# Allegro board 8880F5-0823_RXTX.brd (continued)
## Routing (per net, layer and track width the routed paths; a pad name or vN(x,y) marks a point on that pad's centre or on a via; arc(x,y) is an arc through that point) (continued)
; 322.58,77.93 D102.B7 ; D102.B7 321.77,78.74 ; D102.B7 322.58,79.55 ; D102.B7 323.39,78.74 ; D119.A4 167.64,56.69 ; D119.A4 167.64,55.07 ; D119.A4 166.83,55.88 ; D119.A4 168.45,55.88 ; 182.88,75.39 D118.A10 ; D118.A10 183.69,76.2 ; D118.A10 182.07,76.2 ; D118.A10 182.88,77.01 ; 391.16,375.11 D111.A13 ; D111.A13 390.35,375.92 ; D111.A13 391.97,375.92 ; D111.A13 391.16,376.73 ; 237.95,38.1 D124.B3 ; D124.B3 238.76,37.29 ; D124.B3 239.57,38.1 ; D124.B3 238.76,38.91 ; D113.B5 338.63,330.2 ; D113.B5 337.82,329.39 ; D113.B5 337.82,331.01 ; D113.B5 337.01,330.2 ; 321.77,53.34 D103.A7 ; D103.A7 322.58,54.15 ; D103.A7 322.58,52.53 ; D103.A7 323.39,53.34 ; D128.B3 17.78,38.91 ; D128.B3 16.97,38.1 ; D128.B3 18.59,38.1 ; D128.B3 17.78,37.29 ; 413.31,86.36 D305.A14 ; D305.A14 414.73,86.36 ; D305.A14 414.02,87.07 ; D305.A14 414.02,85.65 ; 319.23,55.88 D103.A6 ; D103.A6 320.04,55.07 ; D103.A6 320.04,56.69 ; D103.A6 320.85,55.88 ; D113.B4 341.17,327.66 ; D113.B4 340.36,326.85 ; D113.B4 340.36,328.47 ; D113.B4 339.55,327.66 ; 190.5,329.39 CSDPS229.C5 ; CSDPS229.C5 191.31,330.2 ; CSDPS229.C5 189.69,330.2 ; CSDPS229.C5 190.5,331.01 ; D116.B2 346.25,388.62 ; D116.B2 344.63,388.62 ; D116.B2 345.44,389.43 ; D116.B2 345.44,387.81 ; 106.68,72.85 D130.A9 106.68,74.47 ; D118.A11 185.42,74.47 ; D118.A11 185.42,72.85 ; D118.A11 186.23,73.66 ; D118.A11 184.61,73.66 ; D112.B12 394.51,388.62 ; D112.B12 393.7,389.43 ; D112.B12 392.89,388.62 ; D112.B12 393.7,387.81 ; 98.25,101.6 D129.B6 ; D129.B6 99.06,102.41 ; D129.B6 99.87,101.6 ; D129.B6 99.06,100.79 ; D322.A1 233.68,64.21 ; D322.A1 232.97,63.5 ; D322.A1 234.39,63.5 ; D131.B11 112.57,58.42 ; D131.B11 111.76,57.61 ; D131.B11 110.95,58.42 ; D131.B11 111.76,59.23 ; D116.B12 320.85,388.62 ; D116.B12 320.04,387.81 ; D116.B12 319.23,388.62 ; D116.B12 320.04,389.43 ; D301.B3 312.42,89.61 ; D301.B3 313.13,88.9 ; D301.B3 311.71,88.9 ; D301.B3 312.42,88.19 ; CSDPS225.C15 238.76,331.01 ; CSDPS225.C15 238.76,329.39 ; CSDPS225.C15 237.95,330.2 ; CSDPS225.C15 239.57,330.2 ; 306.63,83.82 D301.A1 ; D301.A1 307.34,84.53 ; D301.A1 308.05,83.82 ; 419.1,70.41 D306.B16 ; D306.B16 419.1,71.83 ; D306.B16 418.39,71.12 ; D306.B16 419.81,71.12 ; 419.1,80.47 D106.B16 ; D106.B16 419.91,81.28 ; D106.B16 418.29,81.28 ; 45.72,95.71 D125.A14 ; D125.A14 44.91,96.52 ; D125.A14 45.72,97.33 ; D125.A14 46.53,96.52 ; 322.58,72.85 D102.A7 ; D102.A7 323.39,73.66 ; D102.A7 322.58,74.47 ; D102.A7 321.77,73.66 ; 309.07,40.64 D104.B2 ; D104.B2 310.69,40.64 ; D104.B2 309.88,39.83 ; D104.B2 309.88,41.45 ; DPS1.A05 391.97,13.97 ; DPS1.A05 391.16,14.78 ; DPS1.A05 391.16,13.16 ; DPS1.A05 390.35,13.97 ; DPS3.A01 234.49,13.97 ; DPS3.A01 232.87,13.97 ; DPS3.A01 233.68,14.78 ; DPS3.A01 233.68,13.16 ; 388.62,367.49 D111.B14 ; D111.B14 387.81,368.3 ; D111.B14 388.62,369.11 ; D111.B14 389.43,368.3 ; D110.B12 394.51,347.98 ; D110.B12 393.7,347.17 ; D110.B12 392.89,347.98 ; D110.B12 393.7,348.79 ; 309.88,331.93 D113.A16 ; D113.A16 309.88,333.55 ; D113.A16 310.69,332.74 ; D113.A16 309.07,332.74 ; D122.A14 266.7,77.01 ; D122.A14 266.7,75.39 ; D122.A14 265.89,76.2 ; D122.A14 267.51,76.2 ; 88.9,34.75 D132.A2 ; D132.A2 88.9,36.37 ; D132.A2 88.09,35.56 ; D132.A2 89.71,35.56 ; 22.86,93.17 D125.A5 ; D125.A5 23.67,93.98 ; D125.A5 22.05,93.98 ; D125.A5 22.86,94.79 ; D322.B7 249.63,68.58 ; D322.B7 248.92,67.87 ; D322.B7 248.92,69.29 ; D322.B7 248.21,68.58 ; D127.A10 36.37,55.88 ; D127.A10 34.75,55.88 ; D127.A10 35.56,55.07 ; D127.A10 35.56,56.69 ; 27.94,32.21 D128.A7 ; D128.A7 27.94,33.83 ; D128.A7 27.13,33.02 ; D128.A7 28.75,33.02 ; 415.85,83.82 D305.A15 ; D305.A15 417.27,83.82 ; D305.A15 416.56,84.53 ; CSDPS429.B6 188.77,342.9 ; CSDPS429.B6 187.96,342.09 ; CSDPS429.B6 187.15,342.9 ; CSDPS429.B6 187.96,343.71 ; D104.B6 320.85,40.64 ; D104.B6 320.04,39.83 ; D104.B6 320.04,41.45 ; D104.B6 319.23,40.64 ; D120.B5 170.18,38.91 ; D120.B5 170.99,38.1 ; D120.B5 169.37,38.1 ; D120.B5 170.18,37.29 ; 25.4,100.79 D125.B6 ; D125.B6 24.59,101.6 ; D125.B6 25.4,102.41 ; D125.B6 26.21,101.6 ; D126.B1 13.51,78.74 ; D126.B1 12.7,77.93 ; D126.B1 12.7,79.55 ; D124.B10 256.54,41.45 ; D124.B10 257.35,40.64 ; D124.B10 256.54,39.83 ; D124.B10 255.73,40.64 ; D231.A11 176.07,375.92 ; D231.A11 175.26,375.11 ; D231.A11 174.45,375.92 ; D231.A11 175.26,376.73 ; D130.B6 99.87,81.28 ; D130.B6 99.06,80.47 ; D130.B6 98.25,81.28 ; D130.B6 99.06,82.09 ; CSDPS225.B14 242.11,332.74 ; CSDPS225.B14 241.3,333.55 ; CSDPS225.B14 240.49,332.74 ; CSDPS225.B14 241.3,331.93 ; 385.27,355.6 D110.A15 ; D110.A15 386.89,355.6 ; D110.A15 386.08,354.79 ; D110.A15 386.08,356.41 ; 397.97,353.06 D110.A10 ; D110.A10 398.78,353.87 ; D110.A10 398.78,352.25 ; D110.A10 399.59,353.06 ; SITE4.G19 331.43,186.91 ; SITE4.G19 331.43,185.95 ; SITE4.G19 330.95,186.43 ; SITE4.G19 331.91,186.43 ; 401.32,88.19 D305.B9 ; D305.B9 400.61,88.9 ; D305.B9 401.32,89.61 ; D305.B9 402.03,88.9 ; 314.96,392.89 D116.A14 ; D116.A14 315.77,393.7 ; D116.A14 314.96,394.51 ; D116.A14 314.15,393.7 ; 311.61,38.1 D104.B3 ; D104.B3 312.42,37.29 ; D104.B3 313.23,38.1 ; D104.B3 312.42,38.91 ; 314.15,368.3 D115.B14 ; D115.B14 315.77,368.3 ; D115.B14 314.96,367.49 ; SITE3.G3 250.81,181.33 ; SITE3.G3 250.33,180.85 ; SITE3.G3 250.33,181.81 ; SITE3.G3 249.85,181.33 ; D129.B4 93.98,102.41 ; D129.B4 93.98,100.79 ; D129.B4 94.79,101.6 ; 165.1,414.48 DPS8.A15 ; DPS8.A15 164.29,415.29 ; DPS8.A15 165.1,416.1 ; DPS8.A15 165.91,415.29 ; 198.12,55.07 D119.A16 ; D119.A16 197.31,55.88 ; D119.A16 198.12,56.69 ; D119.A16 198.93,55.88 ; D301.A4 315.67,86.36 ; D301.A4 314.96,85.65 ; D301.A4 314.25,86.36 ; D301.A4 314.96,87.07 ; D130.A16 125.27,76.2 ; D130.A16 124.46,77.01 ; D130.A16 123.65,76.2 ; D130.A16 124.46,75.39 ; D109.B5 412.29,330.2 ; D109.B5 410.67,330.2 ; D109.B5 411.48,331.01 ; D109.B5 411.48,329.39 ; 106.68,59.23 D131.B9 106.68,57.61 ; SITE3.G11 252.81,187.93 ; SITE3.G11 251.85,187.93 ; SITE3.G11 252.33,188.41 ; SITE3.G11 252.33,187.45 ; 397.97,393.7 D112.A10 ; D112.A10 398.78,394.51 ; D112.A10 399.59,393.7 ; D112.A10 398.78,392.89 ; D301.B4 315.67,91.44 ; D301.B4 314.96,92.15 ; D301.B4 314.96,90.73 ; D301.B4 314.25,91.44 ; 161.75,76.2 D118.A2 ; D118.A2 163.37,76.2 ; D118.A2 162.56,77.01 ; D118.A2 162.56,75.39 ; 104.95,35.56 D132.A8 103.33,35.56 ; 101.6,94.79 D129.A7 101.6,93.17 ; 419.1,75.39 D106.A16 ; D106.A16 419.91,76.2 ; D106.A16 418.29,76.2 ; D106.A16 419.1,77.01 ; D301.B14 341.07,91.44 ; D301.B14 340.36,92.15 ; D301.B14 339.65,91.44 ; D301.B14 340.36,90.73 ; D129.A6 99.87,96.52 ; D129.A6 98.25,96.52 ; D129.A6 99.06,97.33 ; D129.A6 99.06,95.71 ; D119.B9 181.15,58.42 ; D119.B9 180.34,57.61 ; D119.B9 179.53,58.42 ; 197.31,383.54 D431.A2 ; D431.A2 198.93,383.54 ; D431.A2 198.12,382.73 ; D431.A2 198.12,384.35 ; D302.B10 330.91,71.12 ; D302.B10 330.2,71.83 ; D302.B10 330.2,70.41 ; D302.B10 329.49,71.12 ; 189.69,78.74 D118.B13 ; D118.B13 191.31,78.74 ; D118.B13 190.5,79.55 ; D118.B13 190.5,77.93 ; D128.A13 43.99,33.02 ; D128.A13 43.18,32.21 ; D128.A13 42.37,33.02 ; D128.A13 43.18,33.83 ; D318.B14 193.75,71.12 ; D318.B14 192.33,71.12 ; D318.B14 193.04,70.41 ; D431.A7 185.42,386.89 ; D431.A7 184.61,386.08 ; D431.A7 185.42,385.27 ; D431.A7 186.23,386.08 ; D318.A11 185.42,64.21 ; D318.A11 186.13,63.5 ; D318.A11 185.42,62.79 ; D318.A11 184.71,63.5 ; SITE4.G17 329.51,186.43 ; SITE4.G17 329.03,186.91 ; SITE4.G17 329.03,185.95 ; SITE4.G17 328.55,186.43 ; D109.B4 414.83,327.66 ; D109.B4 414.02,328.47 ; D109.B4 413.21,327.66 ; D109.B4 414.02,326.85 ; D321.A12 261.62,87.07 ; D321.A12 261.62,85.65 ; D321.A12 262.33,86.36 ; D321.A12 260.91,86.36 ; D122.B11 259.08,79.55 ; D122.B11 258.27,78.74 ; D122.B11 259.89,78.74 ; D122.B11 259.08,77.93 ; CSDPS225.C11 248.92,331.01 ; CSDPS225.C11 249.73,330.2 ; CSDPS225.C11 248.11,330.2 ; CSDPS225.C11 248.92,329.39 ; D126.A12 40.64,77.01 ; D126.A12 41.45,76.2 ; D126.A12 39.83,76.2 ; D126.A12 40.64,75.39 ; 108.41,35.56 D132.A10 110.03,35.56 ; 180.34,370.03 D231.B9 ; D231.B9 179.53,370.84 ; D231.B9 180.34,371.65 ; D231.B9 181.15,370.84 ; D113.B10 325.12,328.47 ; D113.B10 325.12,326.85 ; D113.B10 324.31,327.66 ; D113.B10 325.93,327.66 ; D108.A9 401.32,33.83 ; D108.A9 402.13,33.02 ; D108.A9 401.32,32.21 ; D108.A9 400.51,33.02 ; 161.75,81.28 D118.B2 ; D118.B2 162.56,82.09 ; D118.B2 163.37,81.28 ; 190.5,67.87 D318.B13 ; D318.B13 189.79,68.58 ; D318.B13 191.21,68.58 ; D318.B13 190.5,69.29 ; D110.A6 408.94,353.87 ; D110.A6 408.13,353.06 ; D110.A6 408.94,352.25 ; D110.A6 409.75,353.06 ; D123.A3 238.76,54.15 ; D123.A3 239.57,53.34 ; D123.A3 237.95,53.34 ; D123.A3 238.76,52.53 ; 190.5,57.61 D119.B13 ; D119.B13 189.69,58.42 ; D119.B13 191.31,58.42 ; 98.25,35.56 D132.A6 99.87,35.56 ; 345.44,65.33 D302.A16 ; D302.A16 344.73,66.04 ; D302.A16 345.44,66.75 ; D302.A16 346.15,66.04 ; 345.44,34.75 D104.A16 ; D104.A16 346.25,35.56 ; D104.A16 345.44,36.37 ; D104.A16 344.63,35.56 ; SITE2.G7 328.33,248.41 ; SITE2.G7 327.85,247.93 ; SITE2.G7 328.81,247.93 ; SITE2.G7 328.33,247.45 ; D131.B3 91.44,59.23 ; D131.B3 92.25,58.42 ; D131.B3 91.44,57.61 ; 334.57,86.36 D301.A12 ; D301.A12 335.28,87.07 ; D301.A12 335.28,85.65 ; D301.A12 335.99,86.36 ; 390.35,370.84 D111.B13 ; D111.B13 391.16,370.03 ; D111.B13 391.16,371.65 ; D111.B13 391.97,370.84 ; 416.56,88.19 D305.B15 ; D305.B15 416.56,89.61 ; D305.B15 415.85,88.9 ; D305.B15 417.27,88.9 ; 251.46,75.39 D122.A8 ; D122.A8 251.46,77.01 ; D122.A8 252.27,76.2 ; D122.A8 250.65,76.2 ; 398.78,85.65 D305.A8 ; D305.A8 398.07,86.36 ; D305.A8 398.78,87.07 ; D305.A8 399.49,86.36 ; D110.A5 412.29,355.6 ; D110.A5 411.48,354.79 ; D110.A5 410.67,355.6 ; D110.A5 411.48,356.41 ; D118.B16 198.93,81.28 ; D118.B16 197.31,81.28 ; D118.B16 198.12,82.09 ; 406.4,334.47 D109.A7 ; D109.A7 407.21,335.28 ; D109.A7 406.4,336.09 ; D109.A7 405.59,335.28 ; D301.A5 317.5,84.53 ; D301.A5 316.79,83.82 ; D301.A5 318.21,83.82 ; D108.A13 411.48,33.83 ; D108.A13 410.67,33.02 ; D108.A13 412.29,33.02 ; D108.A13 411.48,32.21 ; D132.B11 111.76,38.91 ; D132.B11 110.95,38.1 ; D132.B11 112.57,38.1 ; D132.B11 111.76,37.29 ; 106.68,94.79 D129.A9 106.68,93.17 ; 265.99,86.36 D321.A14 ; D321.A14 267.41,86.36 ; D321.A14 266.7,85.65 ; D321.A14 266.7,87.07 ; D130.A15 122.73,73.66 ; D130.A15 121.92,74.47 ; D130.A15 121.11,73.66 ; D130.A15 121.92,72.85 ; D119.B5 170.99,58.42 ; D119.B5 169.37,58.42 ; D119.B5 170.18,57.61 ; D231.A8 183.69,373.38 ; D231.A8 182.88,372.57 ; D231.A8 182.07,373.38 ; D231.A8 182.88,374.19
  L07_SIGNAL w0.074: 327.66,57.61 D103.B9 ; D103.B9 328.47,58.42 ; D103.B9 326.85,58.42 ; D103.B9 327.66,59.23 ; 32.21,58.42 D127.B9 ; D127.B9 33.83,58.42 ; D127.B9 33.02,57.61 ; D127.B9 33.02,59.23 ; 194.77,33.02 D120.A15 ; D120.A15 196.39,33.02 ; D120.A15 195.58,33.83 ; D120.A15 195.58,32.21 ; D126.A11 38.91,73.66 ; D126.A11 38.1,72.85 ; D126.A11 37.29,73.66 ; D126.A11 38.1,74.47 ; 177.8,75.39 D118.A8 ; D118.A8 176.99,76.2 ; D118.A8 178.61,76.2 ; D118.A8 177.8,77.01 ; 235.51,86.36 D321.A2 ; D321.A2 236.22,87.07 ; D321.A2 236.93,86.36 ; D321.A2 236.22,85.65 ; 256.54,80.47 D122.B10 ; D122.B10 255.73,81.28 ; D122.B10 257.35,81.28 ; D122.B10 256.54,82.09 ; 98.25,81.28 D130.B6 ; D130.B6 99.06,82.09 ; D130.B6 99.06,80.47 ; D130.B6 99.87,81.28 ; 317.5,32.21 D104.A5 ; D104.A5 318.31,33.02 ; D104.A5 316.69,33.02 ; D104.A5 317.5,33.83 ; D113.A1 348.79,335.28 ; D113.A1 347.98,336.09 ; D113.A1 347.17,335.28 ; D113.A1 347.98,334.47 ; D124.B2 236.22,41.45 ; D124.B2 235.41,40.64 ; D124.B2 236.22,39.83 ; D124.B2 237.03,40.64 ; 405.59,355.6 D110.A7 ; D110.A7 406.4,356.41 ; D110.A7 406.4,354.79 ; D110.A7 407.21,355.6 ; 98.25,35.56 D132.A6 ; D132.A6 99.87,35.56 ; D132.A6 99.06,36.37 ; D132.A6 99.06,34.75 ; 241.3,34.75 D124.A4 ; D124.A4 242.11,35.56 ; D124.A4 240.49,35.56 ; D124.A4 241.3,36.37 ; 325.12,372.57 D115.A10 ; D115.A10 325.93,373.38 ; D115.A10 324.31,373.38 ; D115.A10 325.12,374.19 ; 100.79,78.74 D130.B7 ; D130.B7 101.6,77.93 ; D130.B7 102.41,78.74 ; D130.B7 101.6,79.55 ; D302.A15 343.61,63.5 ; D302.A15 342.19,63.5 ; D302.A15 342.9,64.21 ; D321.B7 248.92,89.61 ; D321.B7 249.63,88.9 ; D321.B7 248.21,88.9 ; D321.B7 248.92,88.19 ; 187.96,342.09 CSDPS429.B6 ; CSDPS429.B6 187.96,343.71 ; CSDPS429.B6 188.77,342.9 ; CSDPS429.B6 187.15,342.9 ; D116.A9 328.47,396.24 ; D116.A9 327.66,395.43 ; D116.A9 326.85,396.24 ; D116.A9 327.66,397.05 ; SITE2.G5 332.81,241.33 ; SITE2.G5 332.33,241.81 ; SITE2.G5 331.85,241.33 ; SITE2.G5 332.33,240.85 ; 169.37,375.92 D231.A13 ; D231.A13 170.18,375.11 ; D231.A13 170.99,375.92 ; D231.A13 170.18,376.73 ; SITE2.G7 328.81,247.93 ; SITE2.G7 328.33,248.41 ; SITE2.G7 328.33,247.45 ; SITE2.G7 327.85,247.93 ; D106.A5 391.97,73.66 ; D106.A5 390.35,73.66 ; D106.A5 391.16,74.47 ; D106.A5 391.16,72.85 ; D128.A4 20.32,36.37 ; D128.A4 20.32,34.75 ; D128.A4 21.13,35.56 ; D128.A4 19.51,35.56 ; D123.A15 270.05,53.34 ; D123.A15 269.24,54.15 ; D123.A15 268.43,53.34 ; D317.A4 168.35,86.36 ; D317.A4 166.93,86.36 ; D317.A4 167.64,87.07 ; D317.A4 167.64,85.65 ; 109.22,100.79 D129.B10 ; D129.B10 109.22,102.41 ; D129.B10 110.03,101.6 ; D129.B10 108.41,101.6 ; D114.B14 315.77,347.98 ; D114.B14 314.15,347.98 ; D114.B14 314.96,348.79 ; D114.B14 314.96,347.17 ; 314.96,80.47 D102.B4 ; D102.B4 315.77,81.28 ; D102.B4 314.96,82.09 ; D102.B4 314.15,81.28 ; 98.25,76.2 D130.A6 ; D130.A6 99.06,75.39 ; D130.A6 99.06,77.01 ; D130.A6 99.87,76.2 ; D124.B16 272.59,40.64 ; D124.B16 271.78,39.83 ; D124.B16 271.78,41.45 ; D124.B16 270.97,40.64 ; CSDPS229.C9 180.34,331.01 ; CSDPS229.C9 179.53,330.2 ; CSDPS229.C9 181.15,330.2 ; CSDPS229.C9 180.34,329.39 ; D306.A2 383.54,66.75 ; D306.A2 384.25,66.04 ; D306.A2 382.83,66.04 ; D306.A2 383.54,65.33 ; 382.73,368.3 D111.B16 ; D111.B16 383.54,367.49 ; D111.B16 384.35,368.3 ; D111.B16 383.54,369.11 ; 237.95,340.36 CSDPS425.C15 ; CSDPS425.C15 239.57,340.36 ; CSDPS425.C15 238.76,339.55 ; CSDPS425.C15 238.76,341.17 ; 172.72,34.75 D120.A6 ; D120.A6 172.72,36.37 ; D120.A6 171.91,35.56 ; D120.A6 173.53,35.56 ; D317.B15 195.58,89.61 ; D317.B15 195.58,88.19 ; D317.B15 194.87,88.9 ; D317.B15 196.29,88.9 ; 175.26,37.29 D120.B7 ; D120.B7 175.26,38.91 ; D120.B7 176.07,38.1 ; D120.B7 174.45,38.1 ; D107.B4 388.62,61.77 ; D107.B4 387.81,60.96 ; D107.B4 388.62,60.15 ; D107.B4 389.43,60.96 ; 176.99,373.38 D231.A10 ; D231.A10 178.61,373.38 ; D231.A10 177.8,374.19 ; D231.A10 177.8,372.57 ; 167.64,90.73 D317.B4 ; D317.B4 166.93,91.44 ; D317.B4 168.35,91.44 ; D317.B4 167.64,92.15 ; D123.B13 264.97,58.42 ; D123.B13 264.16,57.61 ; D123.B13 263.35,58.42 ; D123.B13 264.16,59.23 ; 241.3,70.41 D322.B4 ; D322.B4 240.59,71.12 ; D322.B4 241.3,71.83 ; D322.B4 242.01,71.12 ; 30.48,60.15 D127.B8 ; D127.B8 31.29,60.96 ; D127.B8 30.48,61.77 ; D127.B8 29.67,60.96 ; D318.B8 177.8,71.83 ; D318.B8 177.8,70.41 ; D318.B8 178.51,71.12 ; D318.B8 177.09,71.12 ; 194.77,38.1 D120.B15 ; D120.B15 195.58,38.91 ; D120.B15 196.39,38.1 ; D120.B15 195.58,37.29 ; D132.A13 116.84,33.83 ; D132.A13 116.03,33.02 ; D132.A13 117.65,33.02 ; D132.A13 116.84,32.21 ; D317.B16 198.83,91.44 ; D317.B16 197.41,91.44 ; D317.B16 198.12,92.15 ; D317.B16 198.12,90.73 ; 162.56,342.09 CSDPS429.B16 ; CSDPS429.B16 163.37,342.9 ; CSDPS429.B16 162.56,343.71 ; CSDPS429.B16 161.75,342.9 ; 309.07,35.56 D104.A2 ; D104.A2 309.88,36.37 ; D104.A2 309.88,34.75 ; D104.A2 310.69,35.56 ; D302.A14 341.07,66.04 ; D302.A14 339.65,66.04 ; D302.A14 340.36,66.75 ; D302.A14 340.36,65.33 ; 337.01,410.21 DPS2.C05 ; DPS2.C05 337.82,409.4 ; DPS2.C05 337.82,411.02 ; DPS2.C05 338.63,410.21 ; D318.A3 165.1,64.21 ; D318.A3 164.39,63.5 ; D318.A3 165.81,63.5 ; 97.04,204.6 U1.4 ; U1.4 97.04,206.48 ; U1.4 96.1,205.54 ; U1.4 97.98,205.54 ; D102.A10 331.01,76.2 ; D102.A10 330.2,77.01 ; D102.A10 329.39,76.2 ; D102.A10 330.2,75.39 ; 403.05,40.64 D108.B10 ; D108.B10 403.86,39.83 ; D108.B10 403.86,41.45 ; D108.B10 404.67,40.64 ; SITE3.G10 251.81,187.93 ; SITE3.G10 251.33,187.45 ; SITE3.G10 250.85,187.93 ; SITE3.G10 251.33,188.41 ; 311.61,58.42 D103.B3 ; D103.B3 312.42,57.61 ; D103.B3 312.42,59.23 ; D103.B3 313.23,58.42 ; D106.A8 399.59,76.2 ; D106.A8 398.78,77.01 ; D106.A8 398.78,75.39 ; D106.A8 397.97,76.2 ; 169.37,33.02 D120.A5 ; D120.A5 170.18,32.21 ; D120.A5 170.18,33.83 ; D120.A5 170.99,33.02 ; 260.81,40.64 D124.B12 ; D124.B12 261.62,41.45 ; D124.B12 261.62,39.83 ; D124.B12 262.43,40.64 ; 44.91,76.2 D126.A14 ; D126.A14 46.53,76.2 ; D126.A14 45.72,77.01 ; D126.A14 45.72,75.39 ; D128.B1 13.51,38.1 ; D128.B1 11.89,38.1 ; D128.B1 12.7,38.91 ; D128.B1 12.7,37.29 ; 161.75,332.74 CSDPS229.B16 ; CSDPS229.B16 162.56,333.55 ; CSDPS229.B16 163.37,332.74 ; CSDPS229.B16 162.56,331.93 ; 175.26,385.27 D431.A11 ; D431.A11 175.26,386.89 ; D431.A11 176.07,386.08 ; D431.A11 174.45,386.08 ; 248.92,329.39 CSDPS225.C11 ; CSDPS225.C11 248.92,331.01 ; CSDPS225.C11 248.11,330.2 ; CSDPS225.C11 249.73,330.2 ; 392.99,86.36 D305.A6 ; D305.A6 394.41,86.36 ; D305.A6 393.7,87.07 ; D305.A6 393.7,85.65 ; 250.65,81.28 D122.B8 ; D122.B8 251.46,82.09 ; D122.B8 252.27,81.28 ; D122.B8 251.46,80.47 ; D114.B4 341.17,347.98 ; D114.B4 339.55,347.98 ; D114.B4 340.36,347.17 ; D114.B4 340.36,348.79 ; 405.59,13.97 DPS1.A11 ; DPS1.A11 407.21,13.97 ; DPS1.A11 406.4,14.78 ; DPS1.A11 406.4,13.16 ; D103.B11 333.55,58.42 ; D103.B11 332.74,59.23 ; D103.B11 331.93,58.42 ; D103.B11 332.74,57.61 ; 403.05,60.96 D107.B10 ; D107.B10 404.67,60.96 ; D107.B10 403.86,60.15 ; D107.B10 403.86,61.77 ; D305.A16 419.81,86.36 ; D305.A16 418.39,86.36 ; D305.A16 419.1,87.07 ; D305.A16 419.1,85.65 ; 388.62,347.17 D110.B14 ; D110.B14 388.62,348.79 ; D110.B14 387.81,347.98 ; D110.B14 389.43,347.98 ; 395.43,33.02 D108.A7 ; D108.A7 396.24,32.21 ; D108.A7 397.05,33.02 ; D108.A7 396.24,33.83 ; 328.33,180.85 SITE4.G1 ; SITE4.G1 328.81,181.33 ; SITE4.G1 327.85,181.33 ; SITE4.G1 328.33,181.81 ; D231.A16 162.56,374.19 ; D231.A16 162.56,372.57 ; D231.A16 163.37,373.38 ; D231.A16 161.75,373.38 ; 309.88,331.93 D113.A16 ; D113.A16 309.88,333.55 ; D113.A16 309.07,332.74 ; D113.A16 310.69,332.74 ; D321.A16 272.49,86.36 ; D321.A16 271.07,86.36 ; D321.A16 271.78,85.65 ; D321.A16 271.78,87.07 ; 27.94,57.61 D127.B7 ; D127.B7 27.13,58.42 ; D127.B7 27.94,59.23 ; D127.B7 28.75,58.42 ; 266.7,342.09 CSDPS425.B4 ; CSDPS425.B4 265.89,342.9 ; CSDPS425.B4 266.7,343.71 ; CSDPS425.B4 267.51,342.9 ; D301.A5 318.21,83.82 ; D301.A5 316.79,83.82 ; D301.A5 317.5,84.53 ; D301.A5 317.5,83.11 ; 391.16,390.35 D112.B13 ; D112.B13 391.97,391.16 ; D112.B13 390.35,391.16 ; D112.B13 391.16,391.97 ; 169.37,53.34 D119.A5 ; D119.A5 170.18,52.53 ; D119.A5 170.99,53.34 ; D119.A5 170.18,54.15 ; 340.36,75.39 D102.A14 ; D102.A14 341.17,76.2 ; D102.A14 340.36,77.01 ; D102.A14 339.55,76.2 ; 274.32,329.39 CSDPS225.C1 ; CSDPS225.C1 275.13,330.2 ; CSDPS225.C1 274.32,331.01 ; CSDPS225.C1 273.51,330.2 ; 164.29,78.74 D118.B3 ; D118.B3 165.1,77.93 ; D118.B3 165.91,78.74 ; D118.B3 165.1,79.55 ; 345.44,65.33 D302.A16 ; D302.A16 345.44,66.75 ; D302.A16 346.15,66.04 ; D302.A16 344.73,66.04 ; 177.8,342.09 CSDPS429.B10 ; CSDPS429.B10 177.8,343.71 ; CSDPS429.B10 176.99,342.9 ; CSDPS429.B10 178.61,342.9 ; D130.A15 121.92,74.47 ; D130.A15 122.73,73.66 ; D130.A15 121.92,72.85 ; D130.A15 121.11,73.66 ; 17.78,57.61 D127.B3 ; D127.B3 18.59,58.42 ; D127.B3 17.78,59.23 ; D127.B3 16.97,58.42 ; D113.B2 345.44,328.47 ; D113.B2 344.63,327.66 ; D113.B2 346.25,327.66 ; D113.B2 345.44,326.85 ; DPS8.A15 165.91,415.29 ; DPS8.A15 164.29,415.29 ; DPS8.A15 165.1,416.1 ; DPS8.A15 165.1,414.48 ; CSDPS429.C15 165.91,340.36 ; CSDPS429.C15 165.1,341.17 ; CSDPS429.C15 165.1,339.55 ; CSDPS429.C15 164.29,340.36 ; D111.B11 397.05,370.84 ; D111.B11 395.43,370.84 ; D111.B11 396.24,370.03 ; D111.B11 396.24,371.65 ; 170.18,57.61 D119.B5 ; D119.B5 170.18,59.23 ; D119.B5 169.37,58.42 ; D119.B5 170.99,58.42 ; D431.B11 175.26,381.81 ; D431.B11 176.07,381 ; D431.B11 174.45,381 ; D431.B11 175.26,380.19 ; 481.55,214.94 UNK2U2.4 ; UNK2U2.4 482.49,214 ; UNK2U2.4 482.49,215.88 ; UNK2U2.4 483.43,214.94 ; D116.B5 337.82,391.97 ; D116.B5 338.63,391.16 ; D116.B5 337.82,390.35 ; D116.B5 337.01,391.16 ; 406.4,88.19 D305.B11 ; D305.B11 407.11,88.9 ; D305.B11 405.69,88.9 ; D305.B11 406.4,89.61 ; 309.07,60.96 D103.B2 ; D103.B2 309.88,60.15 ; D103.B2 309.88,61.77 ; D103.B2 310.69,60.96 ; CSDPS225.C13 244.65,330.2 ; CSDPS225.C13 243.03,330.2 ; CSDPS225.C13 243.84,329.39 ; CSDPS225.C13 243.84,331.01 ; D114.B12 320.04,348.79 ; D114.B12 320.04,347.17 ; D114.B12 320.85,347.98 ; D114.B12 319.23,347.98 ; 388.62,392.89 D112.A14 ; D112.A14 389.43,393.7 ; D112.A14 387.81,393.7 ; D112.A14 388.62,394.51 ; D113.B8 331.01,327.66 ; D113.B8 329.39,327.66 ; D113.B8 330.2,326.85 ; D113.B8 330.2,328.47 ; D322.B2 236.22,71.83 ; D322.B2 236.93,71.12 ; D322.B2 235.51,71.12 ; D322.B2 236.22,70.41 ; 342.9,349.71 D114.B3 ; D114.B3 343.71,350.52 ; D114.B3 342.9,351.33 ; D114.B3 342.09,350.52 ; 312.42,77.93 D102.B3 ; D102.B3 313.23,78.74 ; D102.B3 312.42,79.55 ; D102.B3 311.61,78.74 ; 182.88,331.93 CSDPS229.B8 ; CSDPS229.B8 183.69,332.74 ; CSDPS229.B8 182.07,332.74 ; CSDPS229.B8 182.88,333.55 ; 342.9,72.85 D102.A15 ; D102.A15 342.9,74.47 ; D102.A15 342.09,73.66 ; D102.A15 343.71,73.66 ; 408.13,388.62 D112.B6 ; D112.B6 408.94,389.43 ; D112.B6 408.94,387.81 ; D112.B6 409.75,388.62 ; 326.95,68.58 D302.B9 ; D302.B9 328.37,68.58 ; D302.B9 327.66,69.29 ; D302.B9 327.66,67.87 ; 50.8,100.79 D125.B16 ; D125.B16 49.99,101.6 ; D125.B16 50.8,102.41 ; D125.B16 51.61,101.6 ; 165.1,83.11 D317.A3 ; D317.A3 164.39,83.82 ; D317.A3 165.1,84.53 ; D317.A3 165.81,83.82 ; 332.15,182.83 SITE4.G16 ; SITE4.G16 332.63,182.35 ; SITE4.G16 333.11,182.83 ; SITE4.G16 332.63,183.31 ; 165.1,67.87 D318.B3 ; D318.B3 165.81,68.58 ; D318.B3 165.1,69.29 ; D318.B3 164.39,68.58 ; 382.73,60.96 D107.B2 ; D107.B2 383.54,60.15 ; D107.B2 384.35,60.96 ; 180.34,52.53 D119.A9 ; D119.A9 181.15,53.34 ; D119.A9 180.34,54.15 ; D119.A9 179.53,53.34 ; D113.B11 323.39,330.2 ; D113.B11 322.58,329.39 ; D113.B11 321.77,330.2 ; D113.B11 322.58,331.01 ; 481.55,171.51 UNK4U2.4 ; UNK4U2.4 483.43,171.51 ; UNK4U2.4 482.49,170.56 ; UNK4U2.4 482.49,172.45 ; 240.49,60.96 D123.B4 ; D123.B4 242.11,60.96 ; D123.B4 241.3,60.15 ; D123.B4 241.3,61.77 ; 236.22,34.75 D124.A2 ; D124.A2 237.03,35.56 ; D124.A2 235.41,35.56 ; D124.A2 236.22,36.37 ; D129.B14 120.19,101.6 ; D129.B14 119.38,102.41 ; D129.B14 119.38,100.79 ; D129.B14 118.57,101.6 ; D116.B11 323.39,391.16 ; D116.B11 322.58,390.35 ; D116.B11 322.58,391.97 ; D116.B11 321.77,391.16 ; D107.A13 412.29,53.34 ; D107.A13 411.48,52.53 ; D107.A13 411.48,54.15 ; D107.A13 410.67,53.34 ; D131.B11 111.76,59.23 ; D131.B11 110.95,58.42 ; D131.B11 112.57,58.42 ; D131.B11 111.76,57.61 ; D322.A9 254.71,63.5 ; D322.A9 253.29,63.5 ; D322.A9 254,64.21 ; D322.A9 254,62.79 ; 236.22,75.39 D122.A2 ; D122.A2 235.41,76.2 ; D122.A2 236.22,77.01 ; D122.A2 237.03,76.2 ; D123.A3 239.57,53.34 ; D123.A3 238.76,54.15 ; D123.A3 237.95,53.34 ; D123.A3 238.76,52.53 ; D128.A9 33.83,33.02 ; D128.A9 32.21,33.02 ; D128.A9 33.02,32.21 ; D128.A9 33.02,33.83 ; D111.B14 389.43,368.3 ; D111.B14 388.62,369.11 ; D111.B14 387.81,368.3 ; D111.B14 388.62,367.49 ; D116.A12 320.04,394.51 ; D116.A12 320.04,392.89 ; D116.A12 320.85,393.7 ; D116.A12 319.23,393.7 ; D124.A16 271.78,36.37 ; D124.A16 271.78,34.75 ; D124.A16 270.97,35.56 ; D124.A16 272.59,35.56 ; 85.55,53.34 D131.A1 ; D131.A1 87.17,53.34 ; D131.A1 86.36,54.15 ; D131.A1 86.36,52.53 ; 306.53,38.1 D104.B1 ; D104.B1 307.34,37.29 ; D104.B1 308.15,38.1 ; D106.A7 397.05,73.66 ; D106.A7 396.24,74.47 ; D106.A7 396.24,72.85 ; D106.A7 395.43,73.66 ; 164.29,370.84 D231.B15 ; D231.B15 165.91,370.84 ; D231.B15 165.1,371.65 ; D231.B15 165.1,370.03 ; 88.09,81.28 D130.B2 ; D130.B2 88.9,82.09 ; D130.B2 89.71,81.28 ; D130.B2 88.9,80.47 ; 184.61,53.34 D119.A11 ; D119.A11 186.23,53.34 ; D119.A11 185.42,52.53 ; D119.A11 185.42,54.15 ; CSDPS229.B12 172.72,333.55 ; CSDPS229.B12 171.91,332.74 ; CSDPS229.B12 172.72,331.93 ; CSDPS229.B12 173.53,332.74 ; 397.97,55.88 D107.A8 ; D107.A8 398.78,56.69 ; D107.A8 399.59,55.88 ; D317.B8 177.8,92.15 ; D317.B8 177.09,91.44 ; D317.B8 178.51,91.44 ; D317.B8 177.8,90.73 ; D104.B4 315.77,40.64 ; D104.B4 314.15,40.64 ; D104.B4 314.96,41.45 ; D104.B4 314.96,39.83 ; 398.07,86.36 D305.A8 ; D305.A8 398.78,85.65 ; D305.A8 398.78,87.07 ; D305.A8 399.49,86.36 ; D127.A5 23.67,53.34 ; D127.A5 22.86,52.53 ; D127.A5 22.05,53.34 ; D127.A5 22.86,54.15 ; 380.19,53.34 D107.A1 ; D107.A1 381.81,53.34 ; D107.A1 381,54.15 ; D107.A1 381,52.53 ; 405.69,63.5 D306.A11 ; D306.A11 407.11,63.5 ; D306.A11 406.4,64.21 ; D306.A11 406.4,62.79 ; D306.A12 408.94,66.75 ; D306.A12 408.23,66.04 ; D306.A12 408.94,65.33 ; D306.A12 409.65,66.04 ; 232.87,19.05 DPS3.C01 ; DPS3.C01 234.49,19.05 ; DPS3.C01 233.68,18.24 ; DPS3.C01 233.68,19.86 ; SITE2.G6 333.81,241.33 ; SITE2.G6 333.33,240.85 ; SITE2.G6 333.33,241.81 ; SITE2.G6 332.85,241.33 ; D321.A3 238.76,84.53 ; D321.A3 238.05,83.82 ; D321.A3 238.76,83.11 ; D321.A3 239.47,83.82 ; 329.39,368.3 D115.B8 ; D115.B8 330.2,367.49 ; D115.B8 331.01,368.3 ; D115.B8 330.2,369.11 ; D129.A14 120.19,96.52 ; D129.A14 118.57,96.52 ; D129.A14 119.38,95.71 ; D129.A14 119.38,97.33 ; D132.B7 101.6,38.91 ; D132.B7 102.41,38.1 ; D132.B7 100.79,38.1 ; D132.B7 101.6,37.29 ; D126.B2 16.05,81.28 ; D126.B2 15.24,80.47 ; D126.B2 15.24,82.09 ; D126.B2 14.43,81.28 ; DPS1.C11 406.4,19.86 ; DPS1.C11 405.59,19.05 ; DPS1.C11 406.4,18.24 ; DPS1.C11 407.21,19.05 ; D132.A10 110.03,35.56 ; D132.A10 109.22,34.75 ; D132.A10 109.22,36.37 ; D132.A10 108.41,35.56 ; 182.07,60.96 D119.B10 ; D119.B10 182.88,61.77 ; D119.B10 183.69,60.96 ; D119.B10 182.88,60.15 ; D231.B10 178.61,368.3 ; D231.B10 177.8,367.49 ; D231.B10 177.8,369.11 ; D231.B10 176.99,368.3 ; D126.B4 21.13,81.28 ; D126.B4 20.32,82.09 ; D126.B4 19.51,81.28 ; D126.B4 20.32,80.47 ; 103.33,60.96 D131.B8 ; D131.B8 104.14,60.15 ; D131.B8 104.14,61.77 ; D131.B8 104.95,60.96 ; 380.29,68.58 D306.B1 ; D306.B1 381,69.29 ; D306.B1 381,67.87 ; D306.B1 381.71,68.58 ; 108.41,60.96 D131.B10 ; D131.B10 109.22,61.77 ; D131.B10 109.22,60.15 ; D131.B10 110.03,60.96 ; D128.A16 51.61,35.56 ; D128.A16 50.8,36.37 ; D128.A16 49.99,35.56 ; D128.A16 50.8,34.75 ; 385.27,53.34 D107.A3 ; D107.A3 386.08,52.53 ; D107.A3 386.89,53.34 ; D107.A3 386.08,54.15 ; D110.B13 391.97,350.52 ; D110.B13 391.16,351.33 ; D110.B13 391.16,349.71 ; D110.B13 390.35,350.52 ; D131.A12 115.11,55.88 ; D131.A12 114.3,55.07 ; D131.A12 113.49,55.88 ; D131.A12 114.3,56.69 ; 250.75,66.04 D322.A8 ; D322.A8 251.46,65.33 ; D322.A8 251.46,66.75 ; D322.A8 252.17,66.04 ; 116.03,99.06 D129.B13 ; D129.B13 116.84,98.25 ; D129.B13 117.65,99.06 ; D129.B13 116.84,99.87 ; 258.37,68.58 D322.B11 ; D322.B11 259.79,68.58 ; D322.B11 259.08,67.87 ; D322.B11 259.08,69.29 ; 403.05,373.38 D111.A8 ; D111.A8 403.86,372.57 ; D111.A8 403.86,374.19 ; D111.A8 404.67,373.38 ; SITE4.G18 330.71,186.43 ; SITE4.G18 330.23,186.91 ; SITE4.G18 330.23,185.95 ; SITE4.G18 329.75,186.43 ; D119.A12 187.96,56.69 ; D119.A12 188.77,55.88 ; D119.A12 187.15,55.88 ; D119.A12 187.96,55.07 ; SITE3.G11 252.33,188.41 ; SITE3.G11 252.81,187.93 ; SITE3.G11 252.33,187.45 ; SITE3.G11 251.85,187.93 ; D305.A10 404.57,86.36 ; D305.A10 403.86,85.65 ; D305.A10 403.86,87.07 ; D305.A10 403.15,86.36 ; CSDPS229.C1 200.66,331.01 ; CSDPS229.C1 201.47,330.2 ; CSDPS229.C1 200.66,329.39 ; CSDPS229.C1 199.85,330.2 ; 174.45,410.21 DPS8.C11 ; DPS8.C11 175.26,411.02 ; DPS8.C11 175.26,409.4 ; DPS8.C11 176.07,410.21 ; 264.16,88.19 D321.B13 ; D321.B13 264.16,89.61 ; D321.B13 264.87,88.9 ; D321.B13 263.45,88.9 ; DPS3.C11 259.89,19.05 ; DPS3.C11 259.08,19.86 ; DPS3.C11 258.27,19.05 ; DPS3.C11 259.08,18.24 ; 235.51,91.44 D321.B2 ; D321.B2 236.93,91.44 ; D321.B2 236.22,90.73 ; D321.B2 236.22,92.15 ; D110.A6 408.94,353.87 ; D110.A6 409.75,353.06 ; D110.A6 408.13,353.06 ; D110.A6 408.94,352.25 ; 104.14,39.83 D132.B8 ; D132.B8 104.14,41.45 ; D132.B8 104.95,40.64 ; D132.B8 103.33,40.64 ; 121.92,77.93 D130.B15 ; D130.B15 122.73,78.74 ; D130.B15 121.92,79.55 ; D130.B15 121.11,78.74 ; 400.51,391.16 D112.B9 ; D112.B9 401.32,390.35 ; D112.B9 402.13,391.16 ; D112.B9 401.32,391.97 ; D112.A2 419.91,393.7 ; D112.A2 418.29,393.7 ; D112.A2 419.1,394.51 ; D112.A2 419.1,392.89 ; 316.69,78.74 D102.B5 ; D102.B5 317.5,77.93 ; D102.B5 317.5,79.55 ; D102.B5 318.31,78.74 ; SITE4.G3 330.81,181.33 ; SITE4.G3 329.85,181.33 ; SITE4.G3 330.33,180.85 ; SITE4.G3 330.33,181.81 ; D131.B9 107.49,58.42 ; D131.B9 106.68,57.61 ; D131.B9 106.68,59.23 ; D131.B9 105.87,58.42 ; 34.75,40.64 D128.B10 ; D128.B10 35.56,41.45 ; D128.B10 36.37,40.64 ; D128.B10 35.56,39.83 ; D131.B13 117.65,58.42 ; D131.B13 116.03,58.42 ; D131.B13 116.84,57.61 ; D131.B13 116.84,59.23 ; 326.85,335.28 D113.A9 ; D113.A9 328.47,335.28 ; D113.A9 327.66,336.09 ; D113.A9 327.66,334.47 ; D110.B1 422.45,350.52 ; D110.B1 421.64,349.71 ; D110.B1 421.64,351.33 ; D110.B1 420.83,350.52 ; D129.B8 104.95,101.6 ; D129.B8 104.14,102.41 ; D129.B8 104.14,100.79 ; D129.B8 103.33,101.6 ; D132.B1 87.17,38.1 ; D132.B1 85.55,38.1 ; D132.B1 86.36,38.91 ; D132.B1 86.36,37.29 ; 266.7,80.47 D122.B14 ; D122.B14 267.51,81.28 ; D122.B14 265.89,81.28 ; D122.B14 266.7,82.09 ; D111.A15 386.08,376.73 ; D111.A15 386.08,375.11 ; D111.A15 386.89,375.92 ; D111.A15 385.27,375.92 ; 245.67,66.04 D322.A6 ; D322.A6 246.38,66.75 ; D322.A6 247.09,66.04 ; D322.A6 246.38,65.33 ; D317.B2 163.27,91.44 ; D317.B2 162.56,92.15 ; D317.B2 162.56,90.73 ; D317.B2 161.85,91.44 ; D321.B3 239.47,88.9 ; D321.B3 238.76,88.19 ; D321.B3 238.05,88.9 ; D321.B3 238.76,89.61 ; D231.B2 198.12,369.11 ; D231.B2 198.93,368.3 ; D231.B2 198.12,367.49 ; D231.B2 197.31,368.3 ; D123.B7 249.73,58.42 ; D123.B7 248.92,57.61 ; D123.B7 248.92,59.23 ; D123.B7 248.11,58.42 ; 324.31,40.64 D104.B8 ; D104.B8 325.12,41.45 ; D104.B8 325.12,39.83 ; D104.B8 325.93,40.64 ; 342.9,395.43 D116.A3 ; D116.A3 343.71,396.24 ; D116.A3 342.9,397.05 ; D116.A3 342.09,396.24 ; 269.24,32.21 D124.A15 ; D124.A15 268.43,33.02 ; D124.A15 269.24,33.83 ; D124.A15 270.05,33.02 ; 50.8,55.07 D127.A16 ; D127.A16 49.99,55.88 ; D127.A16 50.8,56.69 ; D127.A16 51.61,55.88 ; D103.A5 317.5,54.15 ; D103.A5 317.5,52.53 ; D103.A5 316.69,53.34 ; D103.A5 318.31,53.34 ; D431.A4 193.04,384.35 ; D431.A4 192.23,383.54 ; D431.A4 193.04,382.73 ; D431.A4 193.85,383.54 ; 406.4,72.85 D106.A11 ; D106.A11 405.59,73.66 ; D106.A11 407.21,73.66 ; D106.A11 406.4,74.47 ; D125.A2 16.05,96.52 ; D125.A2 15.24,97.33 ; D125.A2 15.24,95.71 ; D125.A2 14.43,96.52 ; 309.17,86.36 D301.A2 ; D301.A2 309.88,85.65 ; D301.A2 310.59,86.36 ; D301.A2 309.88,87.07 ; D321.B6 246.38,92.15 ; D321.B6 245.67,91.44 ; D321.B6 246.38,90.73 ; D321.B6 247.09,91.44 ; D317.B10 